# KiCad board Polygonus-Universal-Base.kicad_pcb
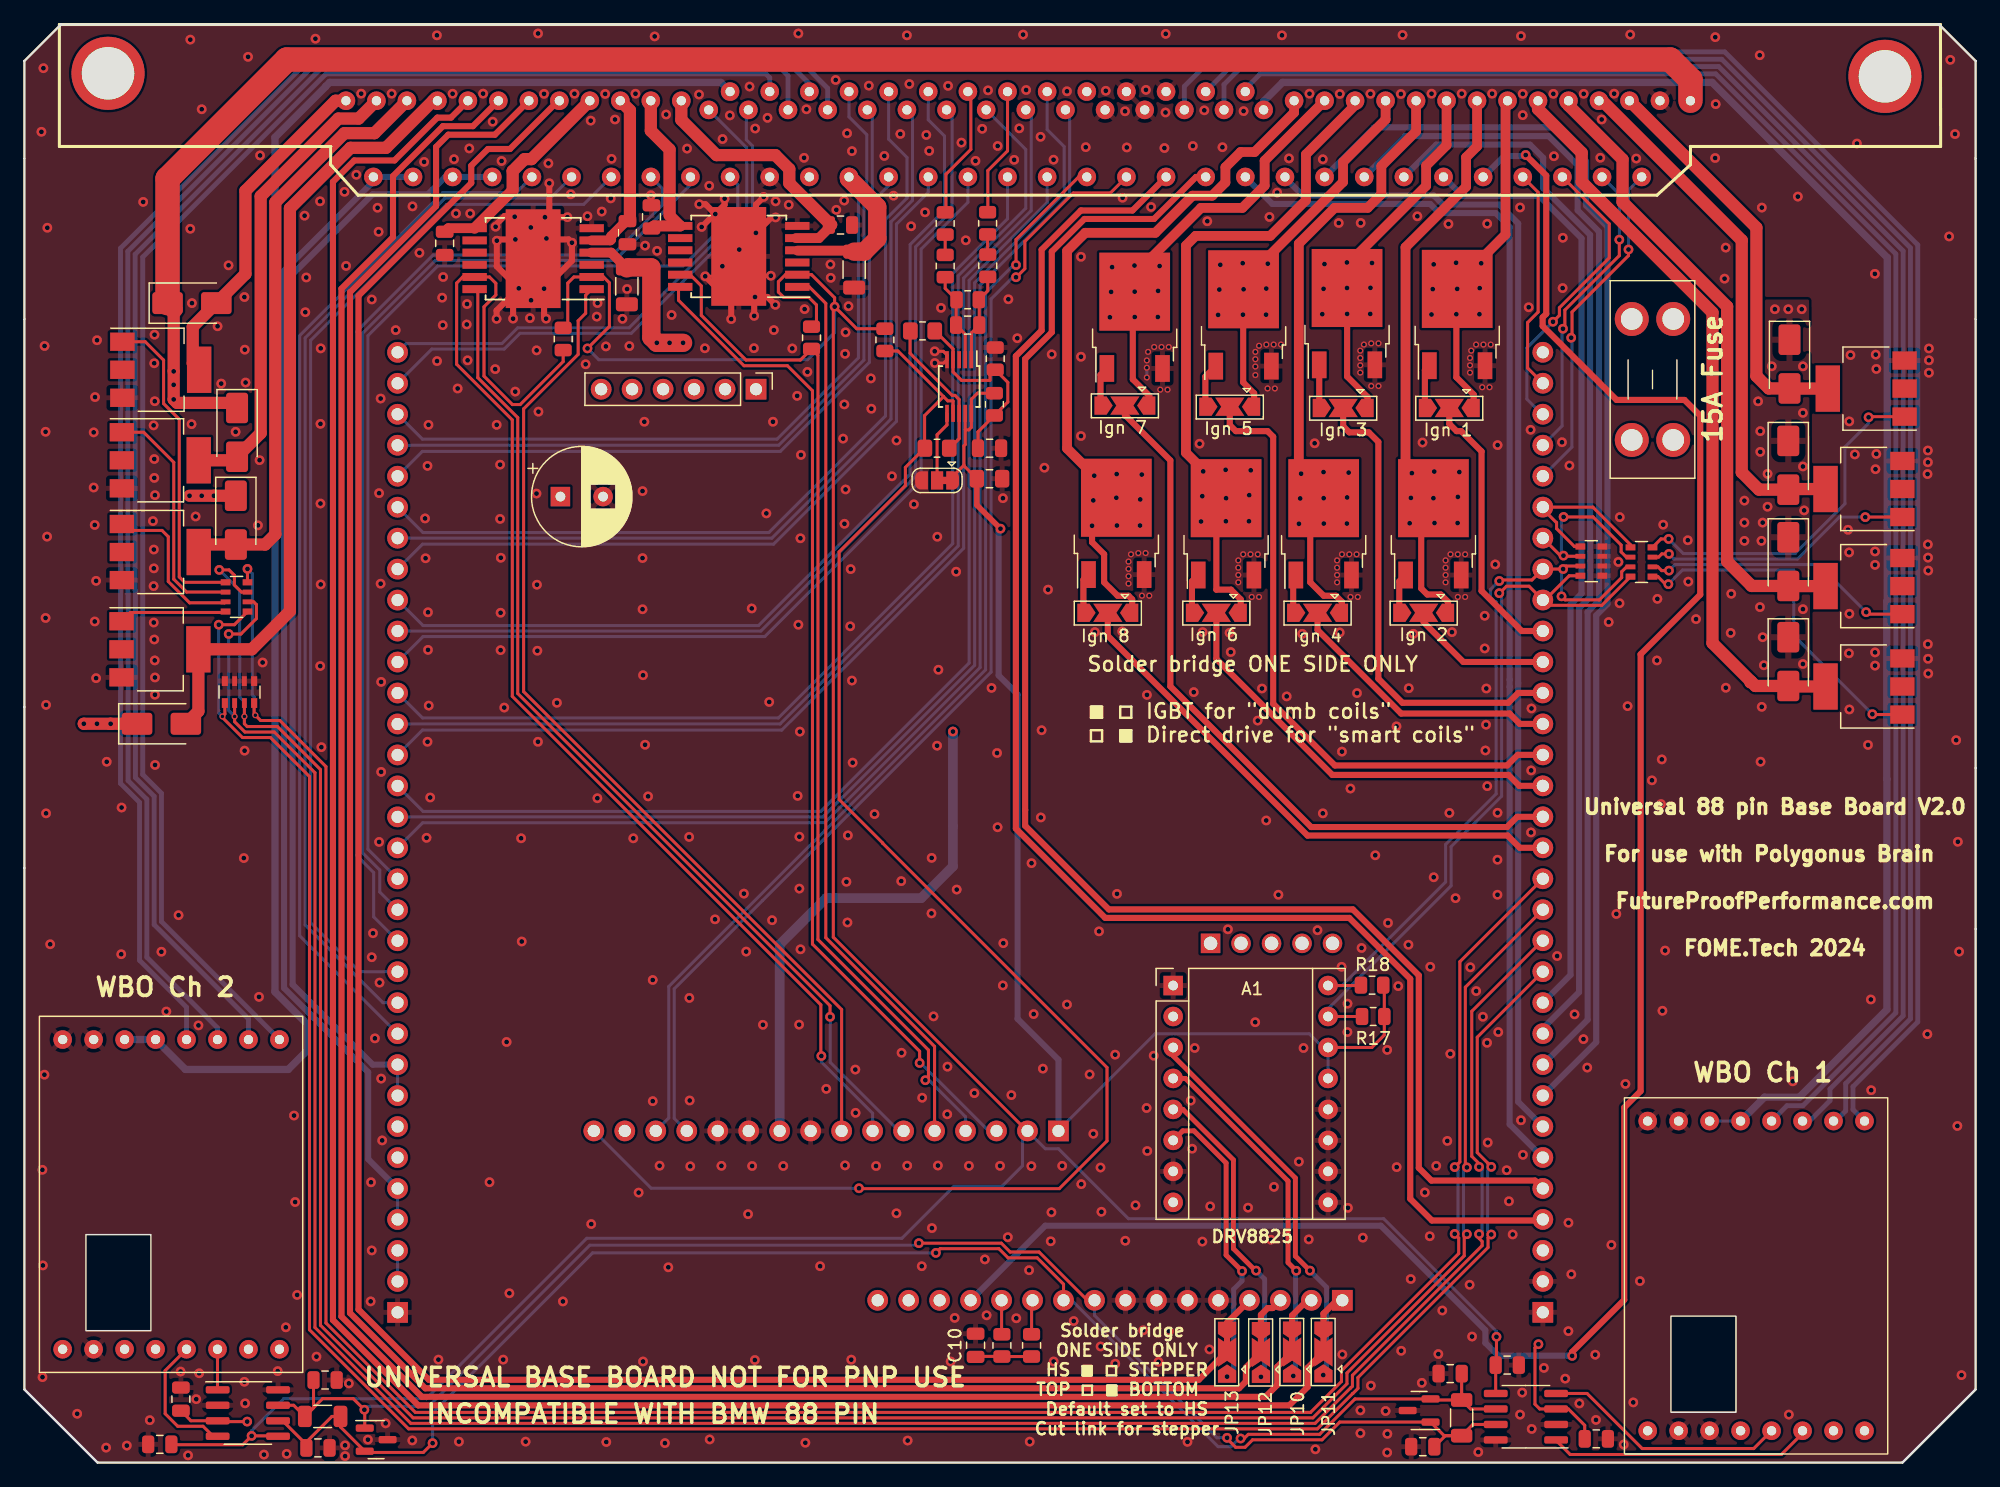
[diagram p0: board, top side]
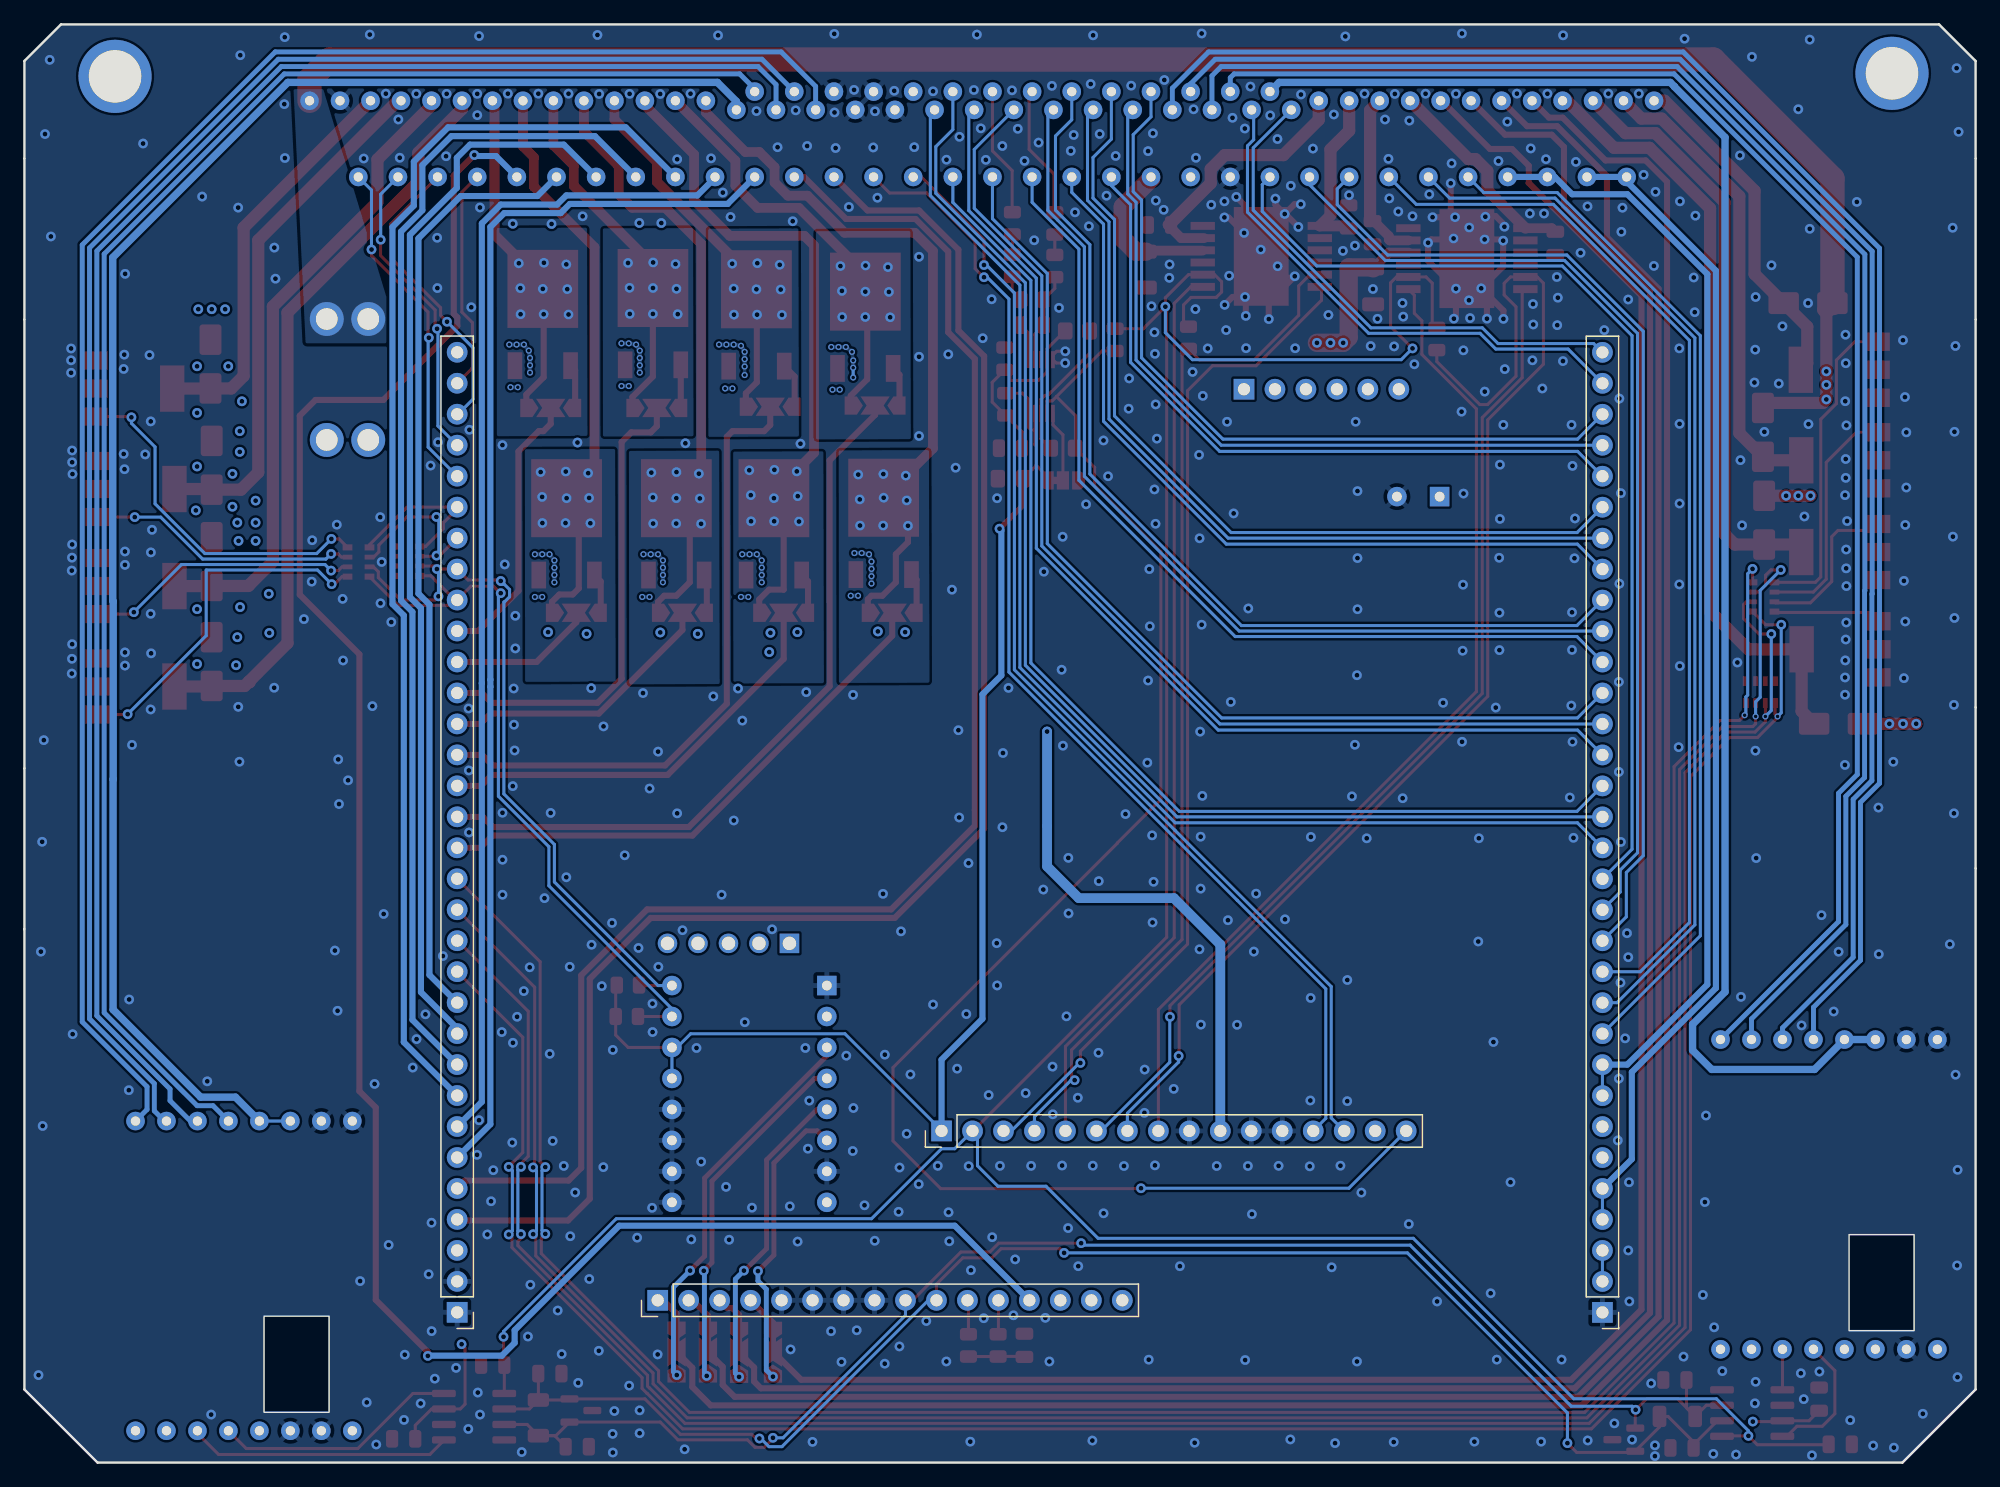
[diagram p1: board, bottom side, seen from below]

Outline 160 x 117.96 mm; copper layers: Top, In.Power.Cu (plane), In2.Gnd.Cu (plane), Bottom. Coordinates in mm from the lower left corner of the outline.
Outline path: 0,114.96 3,117.96 157,117.96 160,114.96 160,6 154,0 6,0 0,6 0,114.96
Stack: Top 0.035mm / dielectric 0.1mm FR4 er 4.5 / In.Power.Cu 0.035mm / dielectric 1.24mm FR4 er 4.5 / In2.Gnd.Cu 0.035mm / dielectric 0.1mm FR4 er 4.5 / Bottom 0.035mm

## Placement (name value [footprint] x y rotation side)
A1  Pololu_Breakout_DRV8825  [Pololu_Breakout-16_15.2x20.3mm]  94.2 39.13 0 top
C1  10u  [C_1206_3216Metric]  49.4 96.47 90 top
C2  10n  [C_0805_2012Metric]  49.45 100.87 90 top
C3  10n  [C_0805_2012Metric]  34.46 100 270 top
C4  1n  [C_0805_2012Metric]  77.35 93.3 0 top
C5  1u  [C_0805_2012Metric]  79.14 83.2 0 top
C6  100n  [C_0805_2012Metric_Pad1.18x1.45mm_HandSolder]  79.14 80.7 0 top
C7  10u  [C_1206_3216Metric]  68.04 97.84 90 top
C8  10n  [C_0805_2012Metric]  66.92 101.5 180 top
C9  10n  [C_0805_2012Metric]  51.42 102.17 90 top
C10  1u  [C_0805_2012Metric]  78 9.62 90 top
C11  56u  [CP_Radial_D8.0mm_P3.50mm]  43.95 79.23 0 top
C12  47p  [C_0805_2012Metric]  114.67 1.31 0 top
C13  47p  [C_0805_2012Metric]  116.91 7.3 180 top
C14  100n  [C_0805_2012Metric]  128.9 1.95 0 top
C15  100n  [C_0805_2012Metric]  121.6 8 0 top
C16  47p  [C_0805_2012Metric]  24.66 6.77 180 top
C17  47p  [C_0805_2012Metric]  24.07 1.21 0 top
C18  100n  [C_0805_2012Metric]  12.83 5.21 90 top
C19  100n  [C_0805_2012Metric]  11.1 1.5 180 top
D1  NUP2105L  [SOT-23]  114.37 4.27 180 top
D2  NUP2105L  [SOT-23]  28.85 1.88 0 top
D501  D_Schottky  [D_SMA]  144.64 65.7 270 top
D502  D_Schottky  [D_SMA]  144.64 73.9 270 top
D503  D_Schottky  [D_SMA]  144.64 81.8 270 top
D504  D_Schottky  [D_SMA]  144.74 90.1 270 top
D701  D_Schottky  [D_SMA]  13.74 95.1 0 top
D702  D_Schottky  [D_SMA]  17.44 84.5 270 top
D703  D_Schottky  [D_SMA]  17.34 77.3 270 top
D704  D_Schottky  [D_SMA]  11.24 60.6 0 top
F1  Fuse  [Fuseholder_Blade_Mini_Keystone_3568]  135.2 93.8 270 top
J4  Polygonus_Plugs  [Polygonus-With-USB-SWD]  79.41 45.13 180 top
JP1  Jumper_3_Open  [SolderJumper-3_P2.0mm_Open_TrianglePad1.0x1.5mm]  116.84 86.5 180 top
JP2  Jumper_3_Bridged12  [SolderJumper-3_P1.3mm_Bridged12_RoundedPad1.0x1.5mm]  74.84 80.56 180 top
JP3  Jumper_3_Open  [SolderJumper-3_P2.0mm_Open_TrianglePad1.0x1.5mm]  108.14 86.5 180 top
JP4  Jumper_3_Open  [SolderJumper-3_P2.0mm_Open_TrianglePad1.0x1.5mm]  98.84 86.6 180 top
JP5  Jumper_3_Open  [SolderJumper-3_P2.0mm_Open_TrianglePad1.0x1.5mm]  90.24 86.7 180 top
JP6  Jumper_3_Open  [SolderJumper-3_P2.0mm_Open_TrianglePad1.0x1.5mm]  114.74 69.7 180 top
JP7  Jumper_3_Open  [SolderJumper-3_P2.0mm_Open_TrianglePad1.0x1.5mm]  106.04 69.7 180 top
JP8  Jumper_3_Open  [SolderJumper-3_P2.0mm_Open_TrianglePad1.0x1.5mm]  97.74 69.7 180 top
JP9  Jumper_3_Open  [SolderJumper-3_P2.0mm_Open_TrianglePad1.0x1.5mm]  88.84 69.7 180 top
JP10  Jumper_3_Open  [SolderJumper-3_P2.0mm_Open_TrianglePad1.0x1.5mm]  103.95 9.07 90 top
JP11  Jumper_3_Open  [SolderJumper-3_P2.0mm_Open_TrianglePad1.0x1.5mm]  106.52 9.07 90 top
JP12  Jumper_3_Open  [SolderJumper-3_P2.0mm_Open_TrianglePad1.0x1.5mm]  101.4 9.03 90 top
JP13  Jumper_3_Open  [SolderJumper-3_P2.0mm_Open_TrianglePad1.0x1.5mm]  98.62 9.05 90 top
Motronic_88pin1  Motronic_88pin  [88Pin Motronic BMW]  74.92 123.65 0 top
Q1  NGD8201AN  [TO-252-2]  117.49 94.16 90 top
Q2  NGD8201AN  [TO-252-2]  108.46 94.24 90 top
Q3  NGD8201AN  [TO-252-2]  99.97 94.13 90 top
Q4  NGD8201AN  [TO-252-2]  91.04 93.94 90 top
Q5  NGD8201AN  [TO-252-2]  115.54 77 90 top
Q6  NGD8201AN  [TO-252-2]  106.54 77 90 top
Q7  NGD8201AN  [TO-252-2]  98.54 77 90 top
Q8  NGD8201AN  [TO-252-2]  89.54 77.04 90 top
R1  10k  [R_0805_2012Metric]  44.18 92.16 90 top
R2  4.7k  [R_0805_2012Metric]  75.51 101.63 90 top
R3  4.7k  [R_0805_2012Metric]  78.98 101.64 90 top
R4  4.7k  [R_0805_2012Metric]  75.51 98.14 90 top
R5  4.7k  [R_0805_2012Metric]  79 98.16 90 top
R6  DNP  [R_0805_2012Metric]  77.35 95.37 180 top
R7  1k  [R_0805_2012Metric]  79.54 86.8 270 top
R8  1k  [R_0805_2012Metric]  79.61 90.54 270 top
R9  DNP  [R_0805_2012Metric_Pad1.20x1.40mm_HandSolder]  73.65 92.82 0 top
R10  DNP  [R_0805_2012Metric_Pad1.20x1.40mm_HandSolder]  74.84 83.2 0 top
R11  4.7k  [R_0805_2012Metric]  70.56 92.08 270 top
R12  10k  [R_0805_2012Metric]  64.54 92.25 90 top
R13  DNP  [R_0805_2012Metric]  82.59 9.61 90 top
R14  DNP  [R_0805_2012Metric]  80.16 9.61 90 top
R15  120  [R_1206_3216Metric]  117.85 3.67 90 top
R16  120  [R_1206_3216Metric]  24.46 3.79 0 top
R17  1k  [R_0805_2012Metric]  110.51 39.16 180 top
R18  1k  [R_0805_2012Metric]  110.6 36.59 0 top
RN1  1k  [R_Array_Convex_4x0603]  128.49 73.94 180 top
RN2  1k  [R_Array_Convex_4x0603]  132.6 73.86 0 top
RN3  1k  [R_Array_Convex_4x0603]  17.64 63.2 270 top
RN4  1k  [R_Array_Convex_4x0603]  17.4 71 180 top
U1  -  [f042_wideband_module]  133.11 2.61 90 top
U2  TLE9201SG  [Infineon_PG-DSO-12-9]  41.72 98.74 180 top
U3  MAX9924  [MSOP-10_3x3mm_P0.5mm]  76.65 88.26 270 top
U4  VNL5090  [SOT-223]  150.85 63.65 180 top
U5  VNL5090  [SOT-223]  150.85 71.89 180 top
U6  VNL5090  [SOT-223]  151.03 88.09 180 top
U7  VNL5090  [SOT-223]  150.85 79.85 180 top
U8  TLE9201SG  [Infineon_PG-DSO-12-9]  58.58 98.93 180 top
U9  VNL5090  [SOT-223]  11.18 89.63 0 top
U10  VNL5090  [SOT-223]  11.14 82.21 0 top
U11  VNL5090  [SOT-223]  11.12 66.71 0 top
U12  VNL5090  [SOT-223]  11.14 74.68 0 top
U13  TJA1051T-3  [SOIC-8_3.9x4.9mm_P1.27mm]  123.13 3.76 180 top
U14  -  [f042_wideband_module]  3.14 9.3 90 top
U15  TJA1051T-3  [SOIC-8_3.9x4.9mm_P1.27mm]  18.32 4.07 0 top

## Library data of the parts
A1 = -: Description: Pololu Breakout Board, Stepper Driver DRV8825
C1 C7 = -: Description: Unpolarized capacitor; LCSC: C13585; LCSC_ext: 0
C2 C3 C8 C9 = -: Description: Unpolarized capacitor, small symbol; LCSC: C1710; LCSC_ext: 0
C4 = -: Description: Unpolarized capacitor; LCSC: C46653; LCSC_ext: 0
C5 C6 = -: Description: Unpolarized capacitor; LCSC: C28323; LCSC_ext: 0
C10 = -: Description: Resistor; LCSC: DNP
C11 = -: LCSC: N/A; PN: EEH-AZF1H560B
C12 C13 C16 C17 = -: Description: Unpolarized capacitor; LCSC: C14857
C14 C15 C18 C19 = -: Description: Unpolarized capacitor; LCSC: C49678
D1 D2 = -: Description: Dual Line CAN Bus Protector, 24Vrwm; LCSC: C284104
D501-D504 D701-D704 = -: Description: Schottky diode
F1 = -: LCSC: C5249699
JP1 JP3-JP13 = -: Description: Jumper, 3-pole, both open
JP2 = -: Description: Jumper, 3-pole, pins 1+2 closed/bridged; LCSC: N/A
Q1-Q8 = -: Description: N-IGBT transistor, gate/collector/emitter; LCSC: C151649
R1 R12 = -: Description: Resistor; LCSC: C17414; LCSC_ext: 0
R2-R5 R11 = -: Description: Resistor; LCSC: C17673; LCSC_ext: 0
R6 = -: Description: Resistor; PN: 603-RC0402FR-075KL
R7 R8 = -: Description: Resistor; LCSC: C17513; LCSC_ext: 0
R9 R10 R13 R14 = -: Description: Resistor
R15 R16 = -: Description: Resistor; LCSC: C176250
R17 R18 = -: Description: Resistor; LCSC: C21190
RN1-RN4 = -: Description: 4 resistor network, parallel topology; LCSC: C20197; LCSC_ext: 0
U2 U8 = -: LCSC: C112633; LCSC_ext: 1; possible_not_ext: 1
U3 = -: LCSC: C143633
U4-U7 U9-U12 = -: LCSC: C2680415
U13 U15 = -: Description: High-Speed CAN Transceiver, separate VIO, silent mode, SOIC-8; LCSC: C38695

## Footprints (pads in the part's own frame, mm; a bottom-side part is the same pattern mirrored in y, then rotated)
88Pin Motronic BMW
  round 6 hole 4.3: (-68.062,-9.7) (77.647,-9.95)
  round 1.524 hole 0.762: 1(-48.553,-11.95) 2(-43.553,-11.95) 3(-38.553,-11.95) 4(-33.553,-11.95) 5(-28.552,-11.95) 6(-23.552,-11.95) 7(-18.802,-12.7) 8(-15.553,-12.7) 9(-12.303,-12.7) 10(-9.053,-12.7) 11(-5.803,-12.7) 12(-2.553,-12.7) 13(0.698,-12.7) 14(3.947,-12.7) 15(7.197,-12.7) 16(10.447,-12.7) 17(13.697,-12.7) 18(16.948,-12.7) 19(20.198,-12.7) 20(23.448,-12.7) 21(26.698,-12.7) 22(31.698,-11.95) 23(36.697,-11.95) 24(41.697,-11.95) 25(46.697,-11.95) 26(51.697,-11.95) 27(56.697,-11.95) 28(61.697,-11.95) 29(-46.053,-11.95) 30(-41.053,-11.95) 31(-36.053,-11.95) 32(-31.052,-11.95) 33(-26.052,-11.95) 34(-21.052,-11.95) 35(-17.052,-11.2) 36(-13.803,-11.2) 37(-10.553,-11.2) 38(-7.303,-11.2) 39(-4.053,-11.2) 40(-0.802,-11.2) 41(2.447,-11.2) 42(5.697,-11.2) 43(8.947,-11.2) 44(12.197,-11.2) 45(15.447,-11.2) 46(18.698,-11.2) 47(21.948,-11.2) 48(25.198,-11.2) 49(29.198,-11.95) 50(34.197,-11.95) 51(39.197,-11.95) 52(44.197,-11.95) 53(49.197,-11.95) 54(54.197,-11.95) 55(59.197,-11.95) 56(-46.303,-18.2) 57(-43.053,-18.2) 58(-39.803,-18.2) 59(-36.553,-18.2) 60(-33.303,-18.2) 61(-30.052,-18.2) 62(-26.802,-18.2) 63(-23.552,-18.2) 64(-20.302,-18.2) 65(-17.052,-18.2) 66(-13.803,-18.2) 67(-10.553,-18.2) 68(-7.303,-18.2) 69(-4.053,-18.2) 70(-0.802,-18.2) 71(2.447,-18.2) 72(5.697,-18.2) 73(8.947,-18.2) 74(12.197,-18.2) 75(15.447,-18.2) 76(18.698,-18.2) 77(21.948,-18.2) 78(25.198,-18.2) 79(28.448,-18.2) 80(31.698,-18.2) 81(34.947,-18.2) 82(38.197,-18.2) 83(41.447,-18.2) 84(44.697,-18.2) 85(47.947,-18.2) 86(51.197,-18.2) 87(54.447,-18.2) 88(57.697,-18.2)
C_0805_2012Metric
  rrect 1x1.45 smd: 1(-0.95,0) 2(0.95,0)
C_0805_2012Metric_Pad1.18x1.45mm_HandSolder
  rrect 1.175x1.45 smd: 1(-1.038,0) 2(1.038,0)
C_1206_3216Metric
  rrect 1.15x1.8 smd: 1(-1.475,0) 2(1.475,0)
CP_Radial_D8.0mm_P3.50mm
  rect 1.6x1.6 hole 0.8: 1(0,0)
  round 1.6 hole 0.8: 2(3.5,0)
D_SMA
  rrect 2.5x1.8 smd: 1(-2,0) 2(2,0)
f042_wideband_module
  round 1.524 hole 0.762: 1(0,0) 2(0,-2.54) 3(0,-5.08) 4(0,-7.62) 5(0,-10.16) 6(0,-12.7) 7(0,-15.24) 8(0,-17.78) 9(25.4,0) 10(25.4,-2.54) 11(25.4,-5.08) 12(25.4,-7.62) 13(25.4,-10.16) 14(25.4,-12.7) 15(25.4,-15.24) 16(25.4,-17.78)
Fuseholder_Blade_Mini_Keystone_3568
  round 2.78 hole 1.78: 1(0,0) 1(0,-3.4) 2(9.92,0) 2(9.92,-3.4)
Infineon_PG-DSO-12-9
  rect 1.95x1.16 smd: (-1.125,2.92) (-1.125,1.46) (-1.125,0) (-1.125,-1.46) (-1.125,-2.92) (1.125,2.92) (1.125,1.46) (1.125,0) (1.125,-1.46) (1.125,-2.92)
  rect 2x0.65 smd: 1(-4.8,2.5) 2(-4.8,1.5) 3(-4.8,0.5) 4(-4.8,-0.5) 5(-4.8,-1.5) 6(-4.8,-2.5) 7(4.8,-2.5) 8(4.8,-1.5) 9(4.8,-0.5) 10(4.8,0.5) 11(4.8,1.5) 12(4.8,2.5)
  rect 4.5x8.1 smd: 13(0,0)
MSOP-10_3x3mm_P0.5mm
  rect 1.4x0.3 smd: 1(-2.2,1) 2(-2.2,0.5) 3(-2.2,0) 4(-2.2,-0.5) 5(-2.2,-1) 6(2.2,-1) 7(2.2,-0.5) 8(2.2,0) 9(2.2,0.5) 10(2.2,1)
Pololu_Breakout-16_15.2x20.3mm
  rect 1.6x1.6 hole 0.8: 1(0,0)
  oval 1.6x1.6 hole 0.8: 2(0,-2.54) 3(0,-5.08) 4(0,-7.62) 5(0,-10.16) 6(0,-12.7) 7(0,-15.24) 8(0,-17.78) 9(12.7,-17.78) 10(12.7,-15.24) 11(12.7,-12.7) 12(12.7,-10.16) 13(12.7,-7.62) 14(12.7,-5.08) 15(12.7,-2.54) 16(12.7,0)
Polygonus-With-USB-SWD
  rect 1.7x1.7 hole 1: 1(-45.107,32.801) 33(48.806,32.806) 65(-28.664,31.815) 81(-5.388,17.923) 102(19.411,-42.909)
  oval 1.7x1.7 hole 1: 2(-45.107,30.261) 3(-45.107,27.721) 4(-45.107,25.181) 5(-45.107,22.641) 6(-45.107,20.101) 7(-45.107,17.561) 8(-45.107,15.021) 9(-45.107,12.481) 10(-45.107,9.941) 11(-45.107,7.401) 12(-45.107,4.861) 13(-45.107,2.321) 14(-45.107,-0.219) 15(-45.107,-2.759) 16(-45.107,-5.299) 17(-45.107,-7.839) 18(-45.107,-10.379) 19(-45.107,-12.919) 20(-45.107,-15.459) 21(-45.107,-17.999) 22(-45.107,-20.539) 23(-45.107,-23.079) 24(-45.107,-25.619) 25(-45.107,-28.159) 26(-45.107,-30.699) 27(-45.107,-33.239) 28(-45.107,-35.779) 29(-45.107,-38.319) 30(-45.107,-40.859) 31(-45.107,-43.399) 32(-45.107,-45.939) 34(48.806,30.266) 35(48.806,27.726) 36(48.806,25.186) 37(48.806,22.646) 38(48.806,20.106) 39(48.806,17.566) 40(48.806,15.026) 41(48.806,12.486) 42(48.806,9.946) 43(48.806,7.406) 44(48.806,4.866) 45(48.806,2.326) 46(48.806,-0.214) 47(48.806,-2.754) 48(48.806,-5.294) 49(48.806,-7.834) 50(48.806,-10.374) 51(48.806,-12.914) 52(48.806,-15.454) 53(48.806,-17.994) 54(48.806,-20.534) 55(48.806,-23.074) 56(48.806,-25.614) 57(48.806,-28.154) 58(48.806,-30.694) 59(48.806,-33.234) 60(48.806,-35.774) 61(48.806,-38.314) 62(48.806,-40.854) 63(48.806,-43.394) 64(48.806,-45.934) 66(-26.124,31.815) 67(-23.584,31.815) 68(-21.044,31.815) 69(-18.504,31.815) 70(-15.964,31.815) 71(-13.424,31.815) 72(-10.884,31.815) 73(-8.344,31.815) 74(-5.804,31.815) 75(-3.264,31.815) 76(-0.724,31.815) 77(1.816,31.815) 78(4.356,31.815) 79(6.896,31.815) 80(9.436,31.815) 82(-2.848,17.923) 83(-0.308,17.923) 84(2.232,17.923) 85(4.772,17.923) 86(7.312,17.923) 87(9.852,17.923) 88(12.392,17.923) 89(14.932,17.923) 90(17.472,17.923) 91(20.012,17.923) 92(22.552,17.923) 93(25.092,17.923) 94(27.632,17.923) 95(30.172,17.923) 96(32.712,17.923) 103(21.951,-42.909) 104(24.491,-42.909) 105(27.031,-42.909) 106(29.571,-42.909) 107(32.111,-42.909)
  round 1.6 hole 1.1: 97(-27.86,2.54) 98(-25.36,2.54) 99(-22.86,2.54) 100(-20.36,2.54)
  rect 1.6x1.6 hole 1.1: 101(-17.86,2.54)
R_0805_2012Metric
  rrect 1.025x1.4 smd: 1(-0.912,0) 2(0.912,0)
R_0805_2012Metric_Pad1.20x1.40mm_HandSolder
  rrect 1.2x1.4 smd: 1(-1,0) 2(1,0)
R_1206_3216Metric
  rrect 1.125x1.75 smd: 1(-1.462,0) 2(1.462,0)
R_Array_Convex_4x0603
  rect 0.8x0.5 smd: 1(-0.9,1.2) 4(-0.9,-1.2) 5(0.9,-1.2) 8(0.9,1.2)
  rect 0.8x0.4 smd: 2(-0.9,0.4) 3(-0.9,-0.4) 6(0.9,-0.4) 7(0.9,0.4)
SOIC-8_3.9x4.9mm_P1.27mm
  rrect 1.95x0.6 smd: 1(-2.475,1.905) 2(-2.475,0.635) 3(-2.475,-0.635) 4(-2.475,-1.905) 5(2.475,-1.905) 6(2.475,-0.635) 7(2.475,0.635) 8(2.475,1.905)
SolderJumper-3_P1.3mm_Bridged12_RoundedPad1.0x1.5mm
  custom 1.05x1.5 smd: 1(-1.3,0) 3(1.3,0)
  rect 1x1.5 smd: 2(0,0)
SolderJumper-3_P2.0mm_Open_TrianglePad1.0x1.5mm
  rect 1.5x1.5 smd: (-1.2,0) (1.2,0)
  custom 1.5x1.5 smd: 1(-2,0) 3(2,0)
  custom 2.4x1.5 smd: 2(0,0)
SOT-23
  rrect 1.475x0.6 smd: 1(-0.938,0.95) 2(-0.938,-0.95) 3(0.938,0)
SOT-223
  rect 2x1.5 smd: 1(-3.15,2.3) 2(-3.15,0) 3(-3.15,-2.3)
  rect 2x3.8 smd: 4(3.15,0)
TO-252-2
  rect 3.05x2.75 smd: (0.425,1.525) (0.425,-1.525) (3.775,1.525) (3.775,-1.525)
  rect 2.2x1.2 smd: 1(-4.2,2.28) 3(-4.2,-2.28)
  rect 6.4x5.8 smd: 2(2.1,0)

## Nets
+3.3V: C15.1 C19.1 J4.82 R1.2 R11.1 R12.2 U2.2 U8.2 U13.5 U15.5
+5V: A1.13 A1.14 C6.1 C14.1 C18.1 J4.81 JP2.1 R7.1 R17.1 R18.2 U1.1 U3.9 U3.10 U13.3 U14.1 U14.4 U15.3
/5V_SENSOR_1: J4.40 J4.41 Motronic_88pin1.58 Motronic_88pin1.59
/5V_SENSOR_2: J4.36 J4.37 Motronic_88pin1.56 Motronic_88pin1.57
/12V_KEY: J4.90 Motronic_88pin1.44
/12V_MR: D501.1 D502.1 D503.1 D504.1 D701.1 D702.1 D703.1 D704.1 F1.1 Motronic_88pin1.28
/12V_MR_FUSE: A1.8 C1.2 C7.2 C11.1 F1.2 J4.3 J4.32 Motronic_88pin1.67 Motronic_88pin1.68 U1.7 U2.4 U8.4 U14.7
/12V_PROT: J4.34 J4.35
/AV1: J4.62 Motronic_88pin1.38
/AV2: J4.61 Motronic_88pin1.11
/AV3: J4.60 Motronic_88pin1.69
/AV4: J4.59 Motronic_88pin1.39
/AV5: J4.58 Motronic_88pin1.12
/AV6: J4.57 Motronic_88pin1.70
/AV7: J4.56 Motronic_88pin1.40
/AV8: J4.55 Motronic_88pin1.13
/AV9: J4.54 Motronic_88pin1.71
/AV10: J4.53 Motronic_88pin1.72
/AV11: J4.52 Motronic_88pin1.14
GND: A1.1 A1.7 A1.9 A1.10 A1.11 A1.12 C1.1 C2.1 C3.2 C5.2 C6.2 C7.1 C8.1 C9.2 C10.2 C11.2 C12.1 C13.2 C14.2 C15.2 C16.1 C17.2 C18.2 C19.2 D1.3 D2.3 J4.1 J4.2 J4.33 J4.69 J4.70 J4.71 J4.72 J4.89 J4.91 J4.92 JP2.3 Motronic_88pin1.17 Motronic_88pin1.18 Motronic_88pin1.45 Motronic_88pin1.46 Motronic_88pin1.55 Motronic_88pin1.66 Q1.3 Q2.3 Q3.3 Q4.3 Q5.3 Q6.3 Q7.3 Q8.3 R8.1 RN1.1 RN1.2 RN1.3 RN1.4 RN3.1 RN3.2 RN3.3 RN3.4 U1.2 U1.3 U1.9 U1.10 U2.6 U2.13 U3.5 U4.3 U5.3 U6.3 U7.3 U8.6 U8.13 U9.3 U10.3 U11.3 U12.3 U13.2 U13.8 U14.2 U14.9 U14.10 U15.2 U15.8
/AT1: J4.51 Motronic_88pin1.15
/AT2: J4.50 Motronic_88pin1.73
/AT3: J4.49 Motronic_88pin1.43
/AT4: J4.48 Motronic_88pin1.16
/CAN2+: C12.2 C16.2 D1.1 D2.1 J4.73 R15.1 R16.1 U13.7 U15.7
/CAN2-: C13.1 C17.1 D1.2 D2.2 J4.74 R15.2 R16.2 U13.6 U15.6
/CAN+: J4.93 Motronic_88pin1.75
/CAN-: J4.94 Motronic_88pin1.74
/CAN_RX: U1.5 U13.4
/CAN_RX2: U14.5 U15.4
/CAN_TX: U1.6 U13.1
/CAN_TX2: U14.6 U15.1
/CRANK +: Motronic_88pin1.41 R2.2
/CRANK -: Motronic_88pin1.42 R3.2
/DIGITAL_1: J4.47 Motronic_88pin1.65
/DIGITAL_2: J4.46 Motronic_88pin1.64
/DIGITAL_3: J4.45 Motronic_88pin1.63
/DIGITAL_4: J4.44 Motronic_88pin1.62
/DIGITAL_5: J4.43 Motronic_88pin1.61
/DIGITAL_6: J4.42 Motronic_88pin1.60
/ETB1_+: C8.2 Motronic_88pin1.34 U8.5
/ETB1_-: C9.1 Motronic_88pin1.6 U8.7
/ETB1_DIR: J4.85 U8.1
/ETB1_DIS: J4.84 R12.1 U8.11
/ETB1_PWM: J4.83 U8.12
/ETB2_+: C2.2 Motronic_88pin1.33 U2.5
/ETB2_-: C3.1 Motronic_88pin1.5 U2.7
/ETB2_DIR: J4.88 U2.1
/ETB2_DIS: J4.87 R1.1 U2.11
/ETB2_PWM: J4.86 U2.12
/ExtraLSA: D701.2 Motronic_88pin1.1 U9.4
/ExtraLSB: D702.2 Motronic_88pin1.29 U10.4
/ExtraLSC: D703.2 Motronic_88pin1.2 U12.4
/ExtraLSD: D704.2 Motronic_88pin1.30 U11.4
/HeaterNeg: Motronic_88pin1.21 U1.11 U1.12
/HeaterNeg2: Motronic_88pin1.35 U14.11 U14.12
/HS1: J4.68 JP13.2 JP13.3 Motronic_88pin1.32
/HS2: J4.67 JP12.2 JP12.3 Motronic_88pin1.4
/HS3: J4.66 JP10.2 JP10.3 Motronic_88pin1.31
/HS4: J4.65 JP11.2 JP11.3 Motronic_88pin1.3
/IGBT1: JP1.1 Motronic_88pin1.25 Q1.2
/IGBT2: JP6.1 Motronic_88pin1.52 Q5.2
/IGBT3: JP3.1 Motronic_88pin1.24 Q2.2
/IGBT4: JP7.1 Motronic_88pin1.51 Q6.2
/IGBT5: JP4.1 Motronic_88pin1.23 Q3.2
/IGBT6: JP8.1 Motronic_88pin1.50 Q7.2
/IGBT7: JP5.1 Motronic_88pin1.22 Q4.2
/IGBT8: JP9.1 Motronic_88pin1.49 Q8.2
/IGN1: J4.23 JP1.2
/IGN2: J4.22 JP6.2
/IGN3: J4.21 JP3.2
/IGN4: J4.20 JP7.2
/IGN5: J4.19 JP4.2
/IGN6: J4.18 JP8.2
/IGN7: J4.17 JP5.2
/IGN8: J4.16 JP9.2
/IGN9: J4.15 RN3.8 RN4.4
/IGN10: J4.14 RN3.7 RN4.3
/IGN11: J4.13 RN3.6 RN4.2
/IGN12: J4.12 RN3.5 RN4.1
/KNOCK_1: J4.63 Motronic_88pin1.8
/KNOCK_2: J4.64 Motronic_88pin1.7
/LS1: J4.4 Motronic_88pin1.76
/LS2: J4.5 Motronic_88pin1.77
/LS3: J4.6 Motronic_88pin1.78
/LS4: J4.7 Motronic_88pin1.79
/LS5: J4.8 Motronic_88pin1.80
/LS6: J4.9 Motronic_88pin1.81
/LS7: J4.10 Motronic_88pin1.82
/LS8: J4.11 Motronic_88pin1.83
/LS9: A1.15 J4.24 R18.1 RN1.8 RN2.4
/LS9ADD: D501.2 Motronic_88pin1.53 U4.4
/LS10: A1.16 J4.25 R17.2 RN1.7 RN2.3
/LS10ADD: D502.2 Motronic_88pin1.26 U5.4
/LS11: J4.26 RN1.6 RN2.2
/LS11ADD: D503.2 Motronic_88pin1.54 U7.4
/LS12: J4.27 RN1.5 RN2.1
/LS12ADD: D504.2 Motronic_88pin1.27 U6.4
/LS13: J4.28 Motronic_88pin1.88
/LS14: J4.29 Motronic_88pin1.87
/LS15: J4.30 Motronic_88pin1.86
/LS16: J4.31 Motronic_88pin1.85
/LSU_Ip: Motronic_88pin1.48 U1.13
/LSU_Ip2: Motronic_88pin1.10 U14.13
/LSU_Rtrim: Motronic_88pin1.47 U1.15
/LSU_Rtrim2: Motronic_88pin1.9 U14.15
/LSU_Un: Motronic_88pin1.19 U1.16
/LSU_Un2: Motronic_88pin1.36 U14.16
/LSU_Vm: Motronic_88pin1.20 U1.14
/LSU_Vm2: Motronic_88pin1.37 U14.14
/Perm_Live: J4.77 Motronic_88pin1.84
/RC1: J4.75 R13.2
/RC2: J4.76 R14.2
/VR1+: J4.96 R10.1 R11.2 U3.7
/VR2+: J4.95
Net-(A1-A1): A1.4 JP10.1
Net-(A1-A2): A1.3 JP11.1
Net-(A1-B1): A1.5 JP12.1
Net-(A1-B2): A1.6 JP13.1
Net-(C10-Pad1): C10.1 R13.1 R14.1
Net-(JP1-B): JP1.3 Q1.1
Net-(JP2-C): JP2.2 U3.6
Net-(JP3-B): JP3.3 Q2.1
Net-(JP4-B): JP4.3 Q3.1
Net-(JP5-B): JP5.3 Q4.1
Net-(JP6-B): JP6.3 Q5.1
Net-(JP7-B): JP7.3 Q6.1
Net-(JP8-B): JP8.3 Q7.1
Net-(JP9-B): JP9.3 Q8.1
Net-(R2-Pad1): R2.1 R4.2
Net-(R3-Pad1): R3.1 R5.2
Net-(RN2-R1.2): RN2.8 U6.1
Net-(RN2-R2.2): RN2.7 U7.1
Net-(RN2-R3.2): RN2.6 U5.1
Net-(RN2-R4.2): RN2.5 U4.1
Net-(RN4-R1.2): RN4.8 U11.1
Net-(RN4-R2.2): RN4.7 U12.1
Net-(RN4-R3.2): RN4.6 U10.1
Net-(RN4-R4.2): RN4.5 U9.1
Net-(U3-BIAS): C5.1 R7.2 R8.2 R9.2 U3.4
Net-(U3-EXT): R9.1 R10.2 U3.8
Net-(U3-IN+): C4.2 R5.1 R6.1 U3.1
Net-(U3-IN-): C4.1 R4.1 R6.2 U3.2

Pads without a net: A1 2; J4 38 39 78 79 80 97 98 99 100 101 102 103 104 105 106 107; U1 4 8; U2 3 8 9 10; U3 3; U4 2; U5 2; U6 2; U7 2; U8 3 8 9 10; U9 2; U10 2; U11 2; U12 2; U14 3 8

## Via types
v1: diameter 0.8, hole 0.4, Top to Bottom, 861 vias
v2: diameter 0.5, hole 0.3, Top to Bottom, 77 vias
